# Altium PCB PCB3.PcbDoc (part 4 of 8)
Units mil, origin at the board's own origin, x right, y up, seen from the top; angles counter-clockwise.
Board outline 4763.78 x 6574.87 mil, 6 copper layers (Top Layer, GND, ADDR, DATA, VCC, Bottom Layer), stack 77.691 mil thick; 402 components, 418 nets, 1809 pads, 1202 vias.
Unrouted connection lines stored in the file: 117.
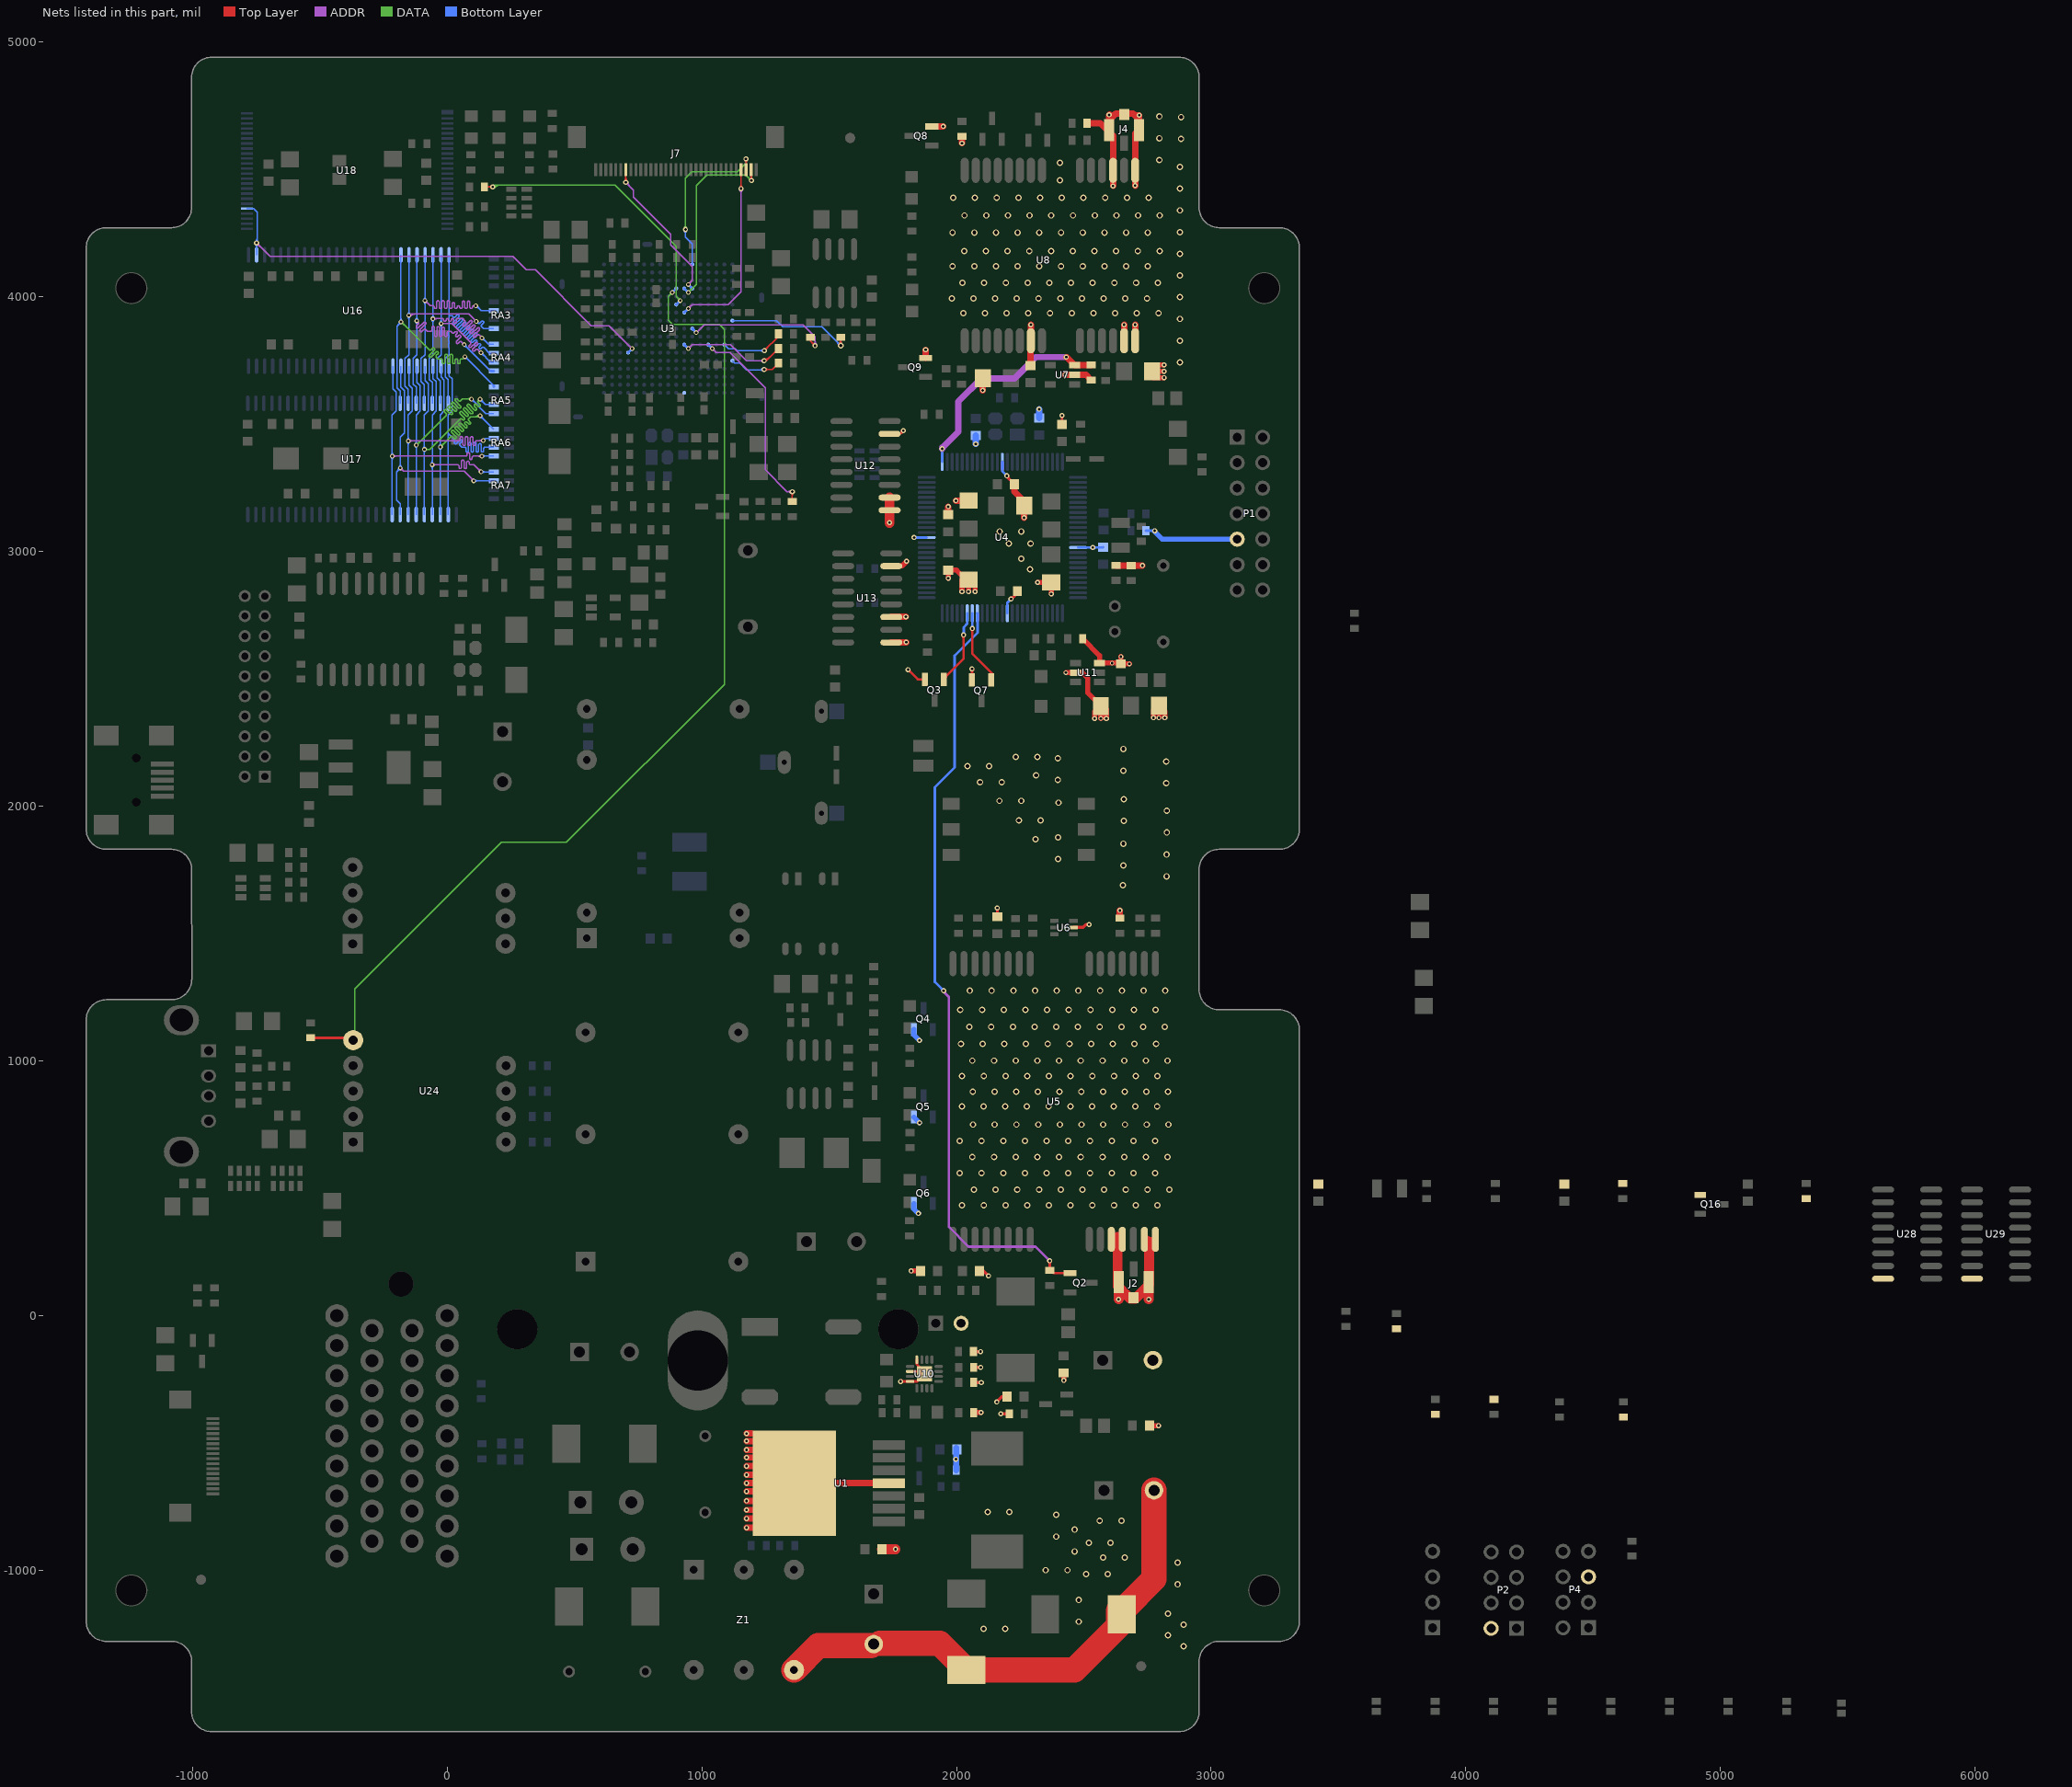
[diagram p8: the nets of this part, all layers, seen from the top]

## Via types
v1: diameter 18, hole 10, Top Layer to Bottom Layer, tented both sides, 404 vias
v2: diameter 20, hole 10, Top Layer to Bottom Layer, tented both sides, 379 vias
v3: diameter 25, hole 15, Top Layer to Bottom Layer, tented both sides, 363 vias
v4: diameter 23.62, hole 11.81, Top Layer to Bottom Layer, tented both sides, 51 vias
v5: diameter 50, hole 28, Top Layer to Bottom Layer, tented both sides, 4 vias
v6: diameter 30, hole 15, Top Layer to Bottom Layer, tented both sides, 1 vias

## Nets (pads, with @x,y where several pads share a name; then routed paths per layer and width w, separated by ;. In a path a pad name is that pad's centre, name@x,y a point inside that pad or via, vN(x,y) a via of type N, cw(c..) or ccw(c..) an arc to the next point about the centre after c; other vN are vias at no path point) (continued)
GGND: BT1.2 C1.2 C3.2 C4.2 C42.2 C43.2 C45.2 C46.2 C47.2 C48.2 C49.2 C50.2 C51.2 C52.2 C53.2 C54.2 C57.2 C58.2 C59.2 C94.2 C95.2 CP8.2 CP10.2 CP11.2 CP12.2 CP13.2 CP14.2 CP17.2 CP18.2 CV1.2 CV2.2 CV5.2 D3.1 D4.1 J2.2 J2.3 J2.4 J4.2 J4.3 J4.4 P1.9 P2.2 P4.5 Q3.2 Q4.2 Q5.2 Q6.2 Q7.2 Q8.2 Q9.2 Q16.1 R2.2 R14.1 R16.1 R17.1 R29.1 R38.2 R45.1 R46.2 R52.2 R53.2 R54.1 R55.2 R56.2 R57.1 R59.2 R113.1 R114.2 U1.4 U1.8 U4.15 U4.37 U4.63 U4.88 U5.26 U5.27 U5.29 U5.30 U6.2 U7.2 U8.7 U8.13 U8.14 U8.15 U8.17 U10.4 U10.6 U10.8 U11.2 U11.6 U12.9 U12.10 U12.15 U13.9 U13.11 U13.15 U28.8 U29.8 Z1.6 | length 9545.9
  Top Layer w10: U12.15@1737.2,3462.6 1779.53,3462.6 v2(1791.34,3474.41) ; v2(1780.51,-258.86) U10.8@1817.91,-258.86 1845.47,-258.86 U10.8@1863.19,-241.14 ; v2@1784.05,-262.39 cw(c1792.58,-270.93) 1792.58,-258.86 cw(c1792.58,-246.79) v2@1784.05,-255.32 ; v2@1786.34,3474.41 cw(c1774.27,3474.41) 1782.8,3465.87 cw(c1791.34,3457.34) v2@1791.34,3469.41 ; v2@1810.04,2531.42 cw(c1810.04,2519.35) 1818.57,2527.88 cw(c1827.11,2536.42) v2@1815.04,2536.42 ; v2(1810.04,2536.42) 1848.42,2498.03 Q3.2@1875.98,2498.03 ; U10.6@1817.91,-219.49 1855.32,-219.49 U10.8@1859.25,-223.43 ; U10.4@1844.49,-173.23 1844.49,-191.93 U10.8@1868.11,-215.55 ; v2@2057.49,2535.83 cw(c2048.95,2527.3) 2061.02,2527.3 cw(c2073.09,2527.3) v2@2064.56,2535.83 ; Q7.2@2061.02,2496.06 v2(2061.02,2539.37) ; v2@2156.9,1596.86 cw(c2148.36,1588.32) 2160.43,1588.32 cw(c2172.5,1588.32) v2@2163.97,1596.86 ; C53.2@2160.43,1565.94 v2(2160.43,1600.39) ; v2(2197.83,3297.24) 2197.83,3294.29 C43.2@2227.36,3264.76 ; v2@2202.83,3297.24 ccw(c2222.04,3297.24) 2208.46,3283.67 ; v2(2214.57,2813.98) 2216.53,2813.98 C48.2@2247.05,2844.49 ; v2@2214.57,2818.98 ccw(c2214.57,2835.8) 2226.46,2823.9 ; v2@2410.83,3530.91 cw(c2402.3,3522.38) 2414.37,3522.38 cw(c2426.44,3522.38) v2@2417.91,3530.91 ; C42.2@2414.37,3499.02 v2(2414.37,3534.45)
  Top Layer w12: R55.2@2066.93,-141.73 v2(2094.49,-141.73) ; R52.2@2067.91,-262.8 v2(2097.44,-262.8) ; R56.2@2067.91,-203.74 v2(2095.47,-203.74) ; C51.2@2090.55,175.2 2106.3,175.2 v2(2125.98,155.51) ; v2(2158.46,-339.57) 2180.12,-317.91 C57.2@2198.82,-317.91 ; v2(2174.21,-385.83) R57.1@2207.68,-385.83 ; U6.2@2459.65,1523.62 2460.06,1524.03 2498.03,1524.03 2509,1535 2510.94,1535
  Top Layer w20: U13.15@1744.09,2943.9 1786.42,2943.9 v2(1804.13,2961.61) ; v2(1821.85,175.2) C52.2@1859.25,175.2 ; v2(1967.52,2894.69) C47.2@1967.52,2927.17 2000,2927.17 CP12.2@2026.57,2900.59 ; v2(2021.65,2842.52) CP12.2@2021.65,2887.8 ; v2(2047.24,2842.52) CP12.2@2047.24,2889.76 ; R53.2@2067.91,-380.91 v2(2096.46,-380.91) ; v2(2072.83,2842.52) CP12.2@2072.83,2889.76 ; v2(2318.9,2878.94) CP11.2@2372.05,2878.94 v2(2372.05,2833.66) ; v2(2421.26,-254.92) C58.2@2421.26,-225.39 ; v1(2430.12,2524.61) U11.2@2467.52,2524.61 2495.08,2524.61 2514.76,2504.92 2514.76,2445.87 CP18.2@2566.93,2393.7 v1(2566.93,2344.49) ; R59.2@2496.06,2657.48 2562.01,2591.54 U11.6@2562.01,2562.01 v1(2611.22,2562.01) 2642.72,2562.01 C59.2@2645.67,2559.05 ; v2(2542.32,2344.49) CP18.2@2542.32,2371.06 ; v2(2588.58,2344.49) CP18.2@2588.58,2380.91 ; U5.26@2605.32,297.24 U5.26@2607.78,299.7 ; v1(2645.67,2587.6) C59.2@2645.67,2559.05 ; v1(2679.13,2559.05) C59.2@2645.67,2559.05 ; U5.29@2738.19,299.21 U5.30@2769.69,299.21 ; 2754.92,287.4 2754.92,297.24 ; C3.2@2757.87,-432.09 v2(2793.31,-432.09) ; CP13.2@2767.72,3707.68 v2(2814.96,3707.68) ; CP13.2@2772.64,3683.07 v2(2814.96,3683.07) ; v2(2773.62,2347.44) CP17.2@2773.62,2376.97 ; CP13.2@2777.56,3733.27 v2(2814.96,3733.27) ; v1(2795.28,2347.44) CP17.2@2795.28,2394.69 ; CP17.2@2814.96,2375 2817.91,2372.05 v2(2817.91,2347.44)
  Top Layer w25: v2(1175.51,-832.99) U1.8@1232,-832.99 ; v2(1175.51,-796.93) U1.8@1223.86,-796.93 ; v2(1175.51,-763.47) U1.8@1257.32,-763.47 ; v2(1175.51,-727.68) U1.8@1293.11,-727.68 ; v2(1175.51,-690.63) U1.8@1330.16,-690.63 ; v2(1175.51,-658.15) U1.8@1362.64,-658.15 U1.4@1734.68,-658.15 ; v2(1175.51,-625.31) U1.8@1329.8,-625.31 ; v2(1175.51,-591.22) U1.8@1295.71,-591.22 ; v2(1175.51,-557.4) U1.8@1261.89,-557.4 ; v2(1175.51,-527.25) U1.8@1231.73,-527.25 ; v2(1175.51,-492.8) 1197.28,-492.8 ; v2(1175.51,-463.27) 1195.73,-463.27 ; U13.9@1744.09,2643.9 v2(1802.95,2643.9) ; U13.11@1744.09,2743.9 v2(1801.38,2743.9) ; Q9.2@1878.94,3760.83 v2(1878.94,3792.32) ; Q8.2@1903.54,4669.29 v2(1947.83,4669.29) ; C45.2@1967.52,3144.68 v2(1967.52,3176.18) ; v2(1998.03,3199.8) CP10.2@2047.24,3199.8 ; v2(2021.65,4603.35) R46.2@2021.65,4629.92 ; v2(2103.35,3632.87) CP14.2@2103.35,3680.12 ; C43.2@2227.36,3264.76 2227.36,3236.22 2265.75,3197.83 CP8.2@2265.75,3180.12 v2(2265.75,3132.87) ; C54.2@2291.34,3730.31 U8.7@2291.34,3826.81 ; U8.7@2292.28,3827.76 v2(2292.28,3890.71) ; v2(2426.18,3693.9) U7.2@2463.58,3693.9 2508.86,3693.9 R38.2@2529.53,3673.23 ; R45.1@2512.8,4682.09 2564.96,4682.09 J4.2@2591.54,4655.51 ; v2@2598.9,4712.12 ccw(c2605.22,4742.22) 2626.97,4720.47 ; J4.2@2599.41,4654.53 J4.2@2599.41,4692.91 ; v2(2599.41,4714.57) J4.2@2599.41,4692.91 ; v2@2601.46,4716 cw(c2586.64,4705.68) J4.2@2599.41,4692.91 ; v2@2615.12,4437.01 U8.17@2615.12,4497.05 J4.2@2615.12,4632.91 ; R17.1@2625.98,2945.87 2626.97,2944.88 R16.1@2686.02,2944.88 v2(2730.31,2944.88) ; R29.1@2641.73,1560.04 v2(2641.73,1590.55) ; U8.13@2658.43,3827.76 v2(2658.43,3890.71) ; U8.14@2701.73,3827.76 v2(2701.73,3890.71) ; v2(2701.73,4436.97) U8.15@2701.73,4497.05 J4.4@2701.73,4641.69 ; 2708.66,4704.72 2692.91,4720.47 ; J4.4@2717.52,4654.53 v2(2717.52,4713.58) ; v2@2717.67,4711.09 cw(c2715.71,4743.27) 2692.91,4720.47 ; J4.2@2599.41,4692.91 2626.97,4720.47 ; 2626.97,4720.47 2692.91,4720.47
  Top Layer w39.37: C1.2@1707.68,-917.32 v2(1760.83,-917.32) ; v2(1737.2,3113.19) 1737.2,3162.6 U12.10@1737.2,3212.6 ; 2632.87,309.06 2632.87,116.14 J2.4@2636.81,112.2 ; v2(2636.81,63.98) J2.4@2636.81,112.2 ; J2.4@2636.81,131.89 J2.4@2636.81,112.2 ; U5.29@2748.03,294.29 2754.92,287.4 2756.89,285.43 2756.89,121.06 J2.2@2754.92,119.09 ; v2(2754.92,63.98) J2.2@2754.92,119.09 ; J2.2@2754.92,131.89 J2.2@2754.92,119.09 ; J2.4@2636.81,112.2 2683.07,65.94 2701.77,65.94 J2.2@2754.92,119.09
  Top Layer w100: Z1.6@1362.16,-1391.85 1457.76,-1296.26 CV1.2@1664.37,-1296.26 ; CV1.2@1699.8,-1287.4 1933.66,-1287.4 D4.1@2038.39,-1392.13 2463.19,-1392.13 2636.81,-1218.5 2636.81,-1159.45 D3.1@2646.65,-1149.61 ; D3.1@2653.54,-1156.5 2775.59,-1034.45 CV2.2@2775.59,-686.02
  ADDR w10: v2@2060.04,2540.35 v2(2061.02,2539.37)
  Bottom Layer w10: v2(1833.66,3055.12) U4.63@1882.87,3055.12 ; v2@1837.2,3051.58 cw(c1845.73,3043.05) 1845.73,3055.12 cw(c1845.73,3067.19) v2@1837.2,3058.65 ; U4.88@2180.12,3352.36 2180.12,3314.96 v2(2197.83,3297.24) ; v2@2192.83,3297.24 ccw(c2180.76,3297.24) 2189.3,3305.78 ccw(c2197.83,3314.32) v2@2197.83,3302.24 ; U4.37@2199.8,2757.87 2199.8,2799.21 v2(2214.57,2813.98) ; v2@2209.57,2813.98 cw(c2197.5,2813.98) 2206.03,2805.44 cw(c2214.57,2796.91) v2@2214.57,2808.98 ; U4.15@2477.36,3015.75 v2(2535.43,3015.75) 2574.8,3015.75 C46.2@2575.79,3016.73 ; v2@2531.9,3012.21 ccw(c2523.36,3003.68) 2523.36,3015.75 ccw(c2523.36,3027.82) v2@2531.9,3019.28 ; v2@2538.97,3012.21 cw(c2547.5,3003.68) 2547.5,3015.75 cw(c2547.5,3027.82) v2@2538.97,3019.28 ; R14.1@2744.1,3081.69 v2(2778.54,3081.69) ; v2@2775.01,3078.16 ccw(c2766.47,3069.62) 2766.47,3081.69 ccw(c2766.47,3093.76) v2@2775.01,3085.23
  Bottom Layer w20: Q6.2@1832.68,439.96 1832.68,418.31 v2(1850.39,400.59) ; Q5.2@1832.68,779.53 1855.28,756.93 v2(1855.41,756.93) ; Q4.2@1832.68,1123.03 1832.68,1102.36 v2(1854.33,1080.71) ; v2@2776.57,3079.72 2807.48,3048.82 P1.9@3102.36,3048.82
  Bottom Layer w25: v2(1998.03,-563.98) v2@1999.02,-563.98 ; R2.2@1999.02,-607.28 v2@1999.02,-563.98 ; C4.2@1999.02,-520.67 v2@1999.02,-563.98 ; v2(2075.79,3422.24) C49.2@2075.79,3455.71 ; C50.2@2324.8,3524.61 v2(2324.8,3559.06)
  other v2: 2521,1535 2615.16,4435.04
  other v3: 2892,-1299.22 2830,-1255.22 2106,-1230 2191.22,-1230 2892,-1214 2480,-1202.22 2830,-1170 2480,-1117 2869,-1055.7 2508.86,-1015 2594.08,-1015 2350.78,-1000 2436,-1000 2869,-970.47 2575.79,-950 2661.01,-950 2463.58,-926 2519.69,-892 2604.91,-892 2392,-868 2463.58,-840.78 2562.44,-806 2647.67,-806 2392,-782.78 2123,-771 2208.22,-771 2022.11,433 2107.33,433 2192.56,433 2277.78,433 2363,433 2448.22,433 2533.44,433 2618.67,433 2703.89,433 2789.11,433 2068.56,494 2153.78,494 2239,494 2324.23,494 2409.45,494 2494.67,494 2579.89,494 2665.12,494 2750.34,494 2835.56,494 2013.11,559 2098.33,559 2183.56,559 2268.78,559 2354,559 2439.22,559 2524.44,559 2609.67,559 2694.89,559 2780.11,559 2062.11,623 2147.33,623 2232.56,623 2317.78,623 2403,623 2488.22,623 2573.44,623 2658.67,623 2743.89,623 2829.11,623 2013.11,686 2098.33,686 2183.56,686 2268.78,686 2354,686 2439.22,686 2524.44,686 2609.67,686 2694.89,686 2780.11,686 2065.11,750 2150.33,750 2235.56,750 2320.78,750 2406,750 2491.22,750 2576.44,750 2661.67,750 2746.89,750 2832.11,750 2021.11,820.87 2106.33,820.87 2191.56,820.87 2276.78,820.87 2362,820.87 2447.22,820.87 2532.44,820.87 2617.67,820.87 2702.89,820.87 2788.11,820.87 2064.11,878.92 2149.33,878.92 2234.56,878.92 2319.78,878.92 2405,878.92 2490.22,878.92 2575.44,878.92 2660.67,878.92 2745.89,878.92 2831.11,878.92 2022.11,940 2107.33,940 2192.56,940 2277.78,940 2363,940 2448.22,940 2533.44,940 2618.67,940 2703.89,940 2789.11,940 2062.11,1001 2147.33,1001 2232.56,1001 2317.78,1001 2403,1001 2488.22,1001 2573.44,1001 2658.67,1001 2743.89,1001 2829.11,1001 2017.38,1067 2102.6,1067 2187.82,1067 2273.05,1067 2358.27,1067 2443.49,1067 2528.71,1067 2613.93,1067 2699.16,1067 2784.38,1067 2051.11,1133 2136.33,1133 2221.56,1133 2306.78,1133 2392,1133 2477.22,1133 2562.44,1133 2647.67,1133 2732.89,1133 2818.11,1133 2015.11,1200.86 2100.33,1200.86 2185.56,1200.86 2270.78,1200.86 2356,1200.86 2441.22,1200.86 2526.44,1200.86 2611.67,1200.86 2696.89,1200.86 2782.11,1200.86 2052.89,1275.59 2138.11,1275.59 2223.33,1275.59 2308.56,1275.59 2393.78,1275.59 2479,1275.59 2564.22,1275.59 2649.44,1275.59 2734.67,1275.59 2819.89,1275.59 2654,1690 2825,1724.78 2655.51,1767.78 2399,1792.78 2825,1810 2655.51,1853 2311,1870 2399,1878 2826,1896.78 2657,1942.78 2244.78,1944 2330,1944 2826,1982 2401,2014 2168.72,2021 2253.94,2021 2657,2028 2824,2090.78 2092.72,2094 2177.94,2094 2398,2102.78 2313,2121 2655.51,2139.78 2042.72,2157 2127.94,2157 2824,2176 2398,2188 2232.28,2194 2317.51,2194 2655.51,2225 2289.37,2930 2254,2972 2206.12,3031 2291.34,3031 2169.78,3079 2255,3079 2876.97,3743.11 2876.97,3828.33 2876.97,3913.56 2026.56,3935.77 2111.78,3935.77 2197,3935.77 2282.22,3935.77 2367.44,3935.77 2452.67,3935.77 2537.89,3935.77 2623.11,3935.77 2708.33,3935.77 2793.56,3935.77 1981.33,3993.77 2066.56,3993.77 2151.78,3993.77 2237,3993.77 2322.22,3993.77 2407.44,3993.77 2492.67,3993.77 2577.89,3993.77 2663.11,3993.77 2748.33,3993.77 2876.97,3998.78 2023.56,4054.77 2108.78,4054.77 2194,4054.77 2279.22,4054.77 2364.44,4054.77 2449.67,4054.77 2534.89,4054.77 2620.11,4054.77 2705.33,4054.77 2790.56,4054.77 2876.97,4084 1984.56,4119.96 2069.78,4119.96 2155,4119.96 2240.22,4119.96 2325.44,4119.96 2410.67,4119.96 2495.89,4119.96 2581.11,4119.96 2666.33,4119.96 2751.56,4119.96 2876.97,4169.22 2030.56,4180 2115.78,4180 2201,4180 2286.22,4180 2371.44,4180 2456.67,4180 2541.89,4180 2627.11,4180 2712.33,4180 2797.56,4180 1984.56,4252.77 2069.78,4252.77 2155,4252.77 2240.22,4252.77 2325.44,4252.77 2410.67,4252.77 2495.89,4252.77 2581.11,4252.77 2666.33,4252.77 2751.56,4252.77 2876.97,4254.44 2031.56,4319.77 2116.78,4319.77 2202,4319.77 2287.22,4319.77 2372.44,4319.77 2457.67,4319.77 2542.89,4319.77 2628.11,4319.77 2713.33,4319.77 2798.56,4319.77 2876.97,4339.67 1987.56,4389.65 2072.78,4389.65 2158,4389.65 2243.22,4389.65 2328.44,4389.65 2413.67,4389.65 2498.89,4389.65 2584.11,4389.65 2669.33,4389.65 2754.56,4389.65 2876.97,4424.89 2406.5,4458 2876.97,4510.11 2406.5,4526.22 2797,4537.78 2882,4620.78 2797,4623 2882,4706 2797,4708.22
GPB10/NAND: RN8.2 U3.K6 | length 1240
  Top Layer w5: RN8.2@142.72,4432.09 RN8.2@146.65,4432.09 v2(179.13,4432.09) ; v2@173.83,4426.78 ccw(c161.03,4413.98) 161.03,4432.09 ccw(c161.03,4450.19) v2@173.83,4437.39
  DATA w5: v2@177.37,4433.85 cw(c189.98,4421.24) 189.98,4439.08 ; v2(179.13,4432.09) 186.13,4439.08 659.35,4439.08 899.58,4198.84 899.58,4001.42 v1(915.33,3985.67) ; v2@180.9,4430.32 cw(c202.05,4409.17) 202.05,4439.08 ; v2@184.44,4426.78 cw(c214.12,4397.1) 214.12,4439.08 ; v1@908.83,3985.67 ccw(c893.14,3985.67) 904.23,3996.77 ccw(c915.33,4007.86) v1@915.33,3992.17
  Bottom Layer w10: U3.K6@899.58,3969.92 v1(915.33,3985.67) ; v1@911.33,3985.67 cw(c901.67,3985.67) 908.5,3978.84 cw(c915.33,3972.02) v1@915.33,3981.67
GPC1/VCLK: J7.2 U3.L4 | length 839
  Top Layer w5: v2@1189.58,4462 ccw(c1179.53,4472.05) 1193.74,4472.05 ; J7.2@1193.74,4477.55 ccw(c1215.74,4477.55) v2@1200.19,4462 ; J7.2@1193.74,4499.87 1193.74,4457.83 v2(1194.88,4456.69)
  DATA w5: v1(946.82,4017.17) 978.57,4048.91 978.57,4437.23 1020.67,4479.33 1172.24,4479.33 v2(1194.88,4456.69) ; v1@946.82,4023.67 ccw(c946.82,4039.36) 957.92,4028.26 ccw(c969.02,4017.17) v1@953.32,4017.17 ; v2@1187.38,4456.69 ccw(c1169.28,4456.69) 1182.08,4469.5 ccw(c1194.88,4482.3) v2@1194.88,4464.19
  Bottom Layer w10: U3.L4@931.08,4032.92 v1(946.82,4017.17) ; v1@942.82,4017.17 ccw(c933.17,4017.17) 940,4024 ccw(c946.82,4030.83) v1@946.82,4021.17
GPC2/VLINE: J7.3 U3.M1 | length 781.2
  Top Layer w5: v2@1167.92,4537.02 cw(c1153.13,4522.22) J7.3@1174.06,4522.22 ; v2(1173.23,4542.32) 1174.06,4541.5 J7.3@1174.06,4499.87 ; 1174.06,4526.21 cw(c1189.34,4526.21) v2@1178.53,4537.02
  DATA w5: v2@930.72,4270.07 ccw(c917.92,4282.87) 936.02,4282.87 ccw(c954.13,4282.87) v2@941.33,4270.07 ; v2(936.02,4264.76) 936.02,4465.55 961.61,4491.14 1138.78,4491.14 1173.23,4525.59 ; v2@1168.24,4536.72 cw(c1158.32,4525.59) 1173.23,4525.59 ; v2(1173.23,4542.32) 1173.23,4525.59 ; v2@1178.22,4536.72 ccw(c1188.14,4525.59) 1173.23,4525.59
  Bottom Layer w5: v2@930.72,4259.46 cw(c917.92,4246.66) 936.02,4246.66 cw(c954.13,4246.66) v2@941.33,4259.46 ; v2(936.02,4264.76) 936.02,4235.24 962.57,4208.69 U3.M1@962.57,4127.4
GPC3/VFRAME: J7.4 U3.L7 | length 832.7
  Top Layer w5: v2@1149.07,4430.37 ccw(c1136.26,4443.17) 1154.37,4443.17 ccw(c1172.48,4443.17) v2@1159.67,4430.37 ; v2(1154.37,4425.07) J7.4@1154.37,4499.87
  ADDR w5: v1(946.82,3954.17) 962.57,3969.92 1103.32,3969.92 1153.52,4020.12 v2@1153.52,4425.07 ; v1@946.82,3960.67 ccw(c946.82,3976.37) 957.92,3965.27 ccw(c969.02,3954.17) v1@953.32,3954.17 ; v2@1149.07,4419.76 cw(c1138.32,4409.02) 1153.52,4409.02 ; 1153.52,4404.9 cw(c1174.54,4404.9) v2@1159.67,4419.76
  Bottom Layer w10: U3.L7@931.08,3938.43 v1(946.82,3954.17) ; v1@942.82,3954.17 cw(c933.17,3954.17) 940,3947.35 cw(c946.82,3940.52) v1@946.82,3950.17
GPC4/VM: J7.27 U3.M4 | length 684.8
  Top Layer w5: v2@696.31,4455.26 ccw(c683.51,4468.07) 701.62,4468.07 ccw(c719.72,4468.07) v2@706.92,4455.26 ; v2(701.62,4449.96) J7.27@701.62,4499.87
  ADDR w5: v2@701.62,4442.46 cw(c701.62,4424.35) 714.42,4437.16 cw(c727.22,4449.96) v2@709.12,4449.96 ; v2(701.62,4449.96) 731.68,4419.89 731.68,4392.33 877.95,4246.06 877.95,4204.15 962.57,4119.53 962.57,4064.41 v1(946.82,4048.66) ; v1@946.82,4055.16 ccw(c946.82,4070.86) 957.92,4059.76 ccw(c969.02,4048.66) v1@953.32,4048.66
  Bottom Layer w10: v1@946.82,4044.66 cw(c946.82,4035.01) 953.65,4041.84 cw(c960.48,4048.66) v1@950.82,4048.66 ; v1(946.82,4048.66) U3.M4@962.57,4032.92
GPG5/485: R98.2 U3.K4 U24.5 | length 4101.3
  Top Layer w10: R98.2@-536.42,1090.55 -387.79,1090.55 U24.5@-383.86,1086.61
  DATA w5: U24.5@-362.2,1088.58 -362.2,1282.48 213.58,1858.27 468.5,1858.27 1088.81,2478.57 1088.81,3871.82 1069.45,3891.18 884.82,3891.18 868.08,3907.91 868.08,4001.42 v1(883.83,4017.17) ; v1@877.33,4017.17 cw(c861.64,4017.17) 872.74,4006.07 cw(c883.83,3994.98) v1@883.83,4010.67
  Bottom Layer w10: v1(883.83,4017.17) U3.K4@899.58,4032.92 ; v1@883.83,4021.17 ccw(c883.83,4030.83) 890.66,4024 ccw(c897.49,4017.17) v1@887.83,4017.17
GPG13: R21.2 RN4.1 U3.T11 | length 325.3
  Top Layer w5: v2(1245.54,3788.62) 1245.54,3790.87 1246.55,3789.86 1300.2,3843.5 R21.2@1300.2,3854.33 ; v2@1245.54,3796.12 ccw(c1245.54,3813.67) 1257.95,3801.26 ; v2@1253.04,3788.62 cw(c1271.71,3788.62) 1258.51,3801.82 ; R21.2@1301.19,3855.32 R21.2@1300.2,3854.33 ; R21.2@1306.1,3854.33 R21.2@1300.2,3854.33
  ADDR w5: v2(1245.54,3788.62) v2@1248.26,3791.34
  Bottom Layer w5: U3.T11@1088.56,3812.44 1104.74,3796.26 1129.92,3796.26 1137.56,3788.62 v2(1245.54,3788.62) ; v2@1240.24,3783.31 ccw(c1227.44,3770.51) 1227.44,3788.62 ccw(c1227.44,3806.72) v2@1240.24,3793.92
GPG14: R22.2 RN5.1 U3.L11 | length 543.9
  Top Layer w5: v2@1245.08,3751.52 ccw(c1245.08,3775.77) 1262.23,3758.62 ; v2@1245.08,3756.52 ccw(c1245.08,3792.84) 1270.76,3767.16 ; v2@1247.05,3749.02 1252.63,3749.02 R22.2@1301.19,3797.58
  ADDR w5: v1(946.82,3796.69) 963.12,3812.99 1112.2,3812.99 1176.18,3749.02 v2(1245.08,3749.02) ; v1@946.82,3803.19 ccw(c946.82,3818.89) 957.92,3807.79 ccw(c969.02,3796.69) v1@953.32,3796.69 ; v2@1239.78,3743.71 ccw(c1226.97,3730.91) 1226.97,3749.02 ccw(c1226.97,3767.12) v2@1239.78,3754.32
  Bottom Layer w10: U3.L11@931.08,3812.44 v1(946.82,3796.69) ; v1@942.82,3796.69 ccw(c933.17,3796.69) 940,3803.52 ccw(c946.82,3810.35) v1@946.82,3800.69
GPG15: R23.1 RN2.2 U3.U13 | length 264.3
  Top Layer w5: v2(1245.08,3714.57) 1275.92,3714.57 R23.1@1301.19,3739.83 ; v2@1250.38,3709.26 cw(c1263.19,3696.46) 1263.19,3714.57 cw(c1263.19,3732.67) v2@1250.38,3719.87
  Bottom Layer w5: U3.U13@1120.05,3749.45 1129.24,3740.26 1149.5,3740.26 1176.18,3713.58 v2@1246.06,3713.58 ; 1224.6,3713.58 ccw(c1224.6,3735.05) v2@1239.78,3719.87 ; 1229.35,3713.58 cw(c1229.35,3698.84) v2@1239.78,3709.26
GPH1: U3.L17
GPRS_DTR: Q3.1 U4.45 | length 330.2
  Top Layer w10: Q3.1@1950.79,2498.03 Q3.1@1958.66,2505.91 ; Q3.1@1956.69,2507.87 2027.56,2578.74 v2(2027.56,2672.24) ; v2@2024.02,2668.71 cw(c2015.49,2660.17) 2027.56,2660.17 cw(c2039.63,2660.17) v2@2031.09,2668.71
  Bottom Layer w10: v2@2024.02,2675.78 ccw(c2013.11,2686.69) 2028.54,2686.69 ; v2@2028.54,2669.29 2028.54,2702.76 2042.32,2716.54 U4.45@2042.32,2757.87
GPRS_PWR: Q2.1 R26.2 U4.43 | length 3149.5
  Top Layer w10: v2@2362.61,211.03 cw(c2354.07,202.5) 2366.14,202.5 cw(c2378.21,202.5) v2@2369.68,211.03 ; R26.2@2366.14,177.17 v2(2366.14,214.57) ; R26.2@2367.13,181.1 2381.89,166.34 Q2.1@2445.86,166.34